# Allegro board RK_EVB1_RK3576_LP4XD200P132SD6_V12_20240530YWQ.brd (continued)
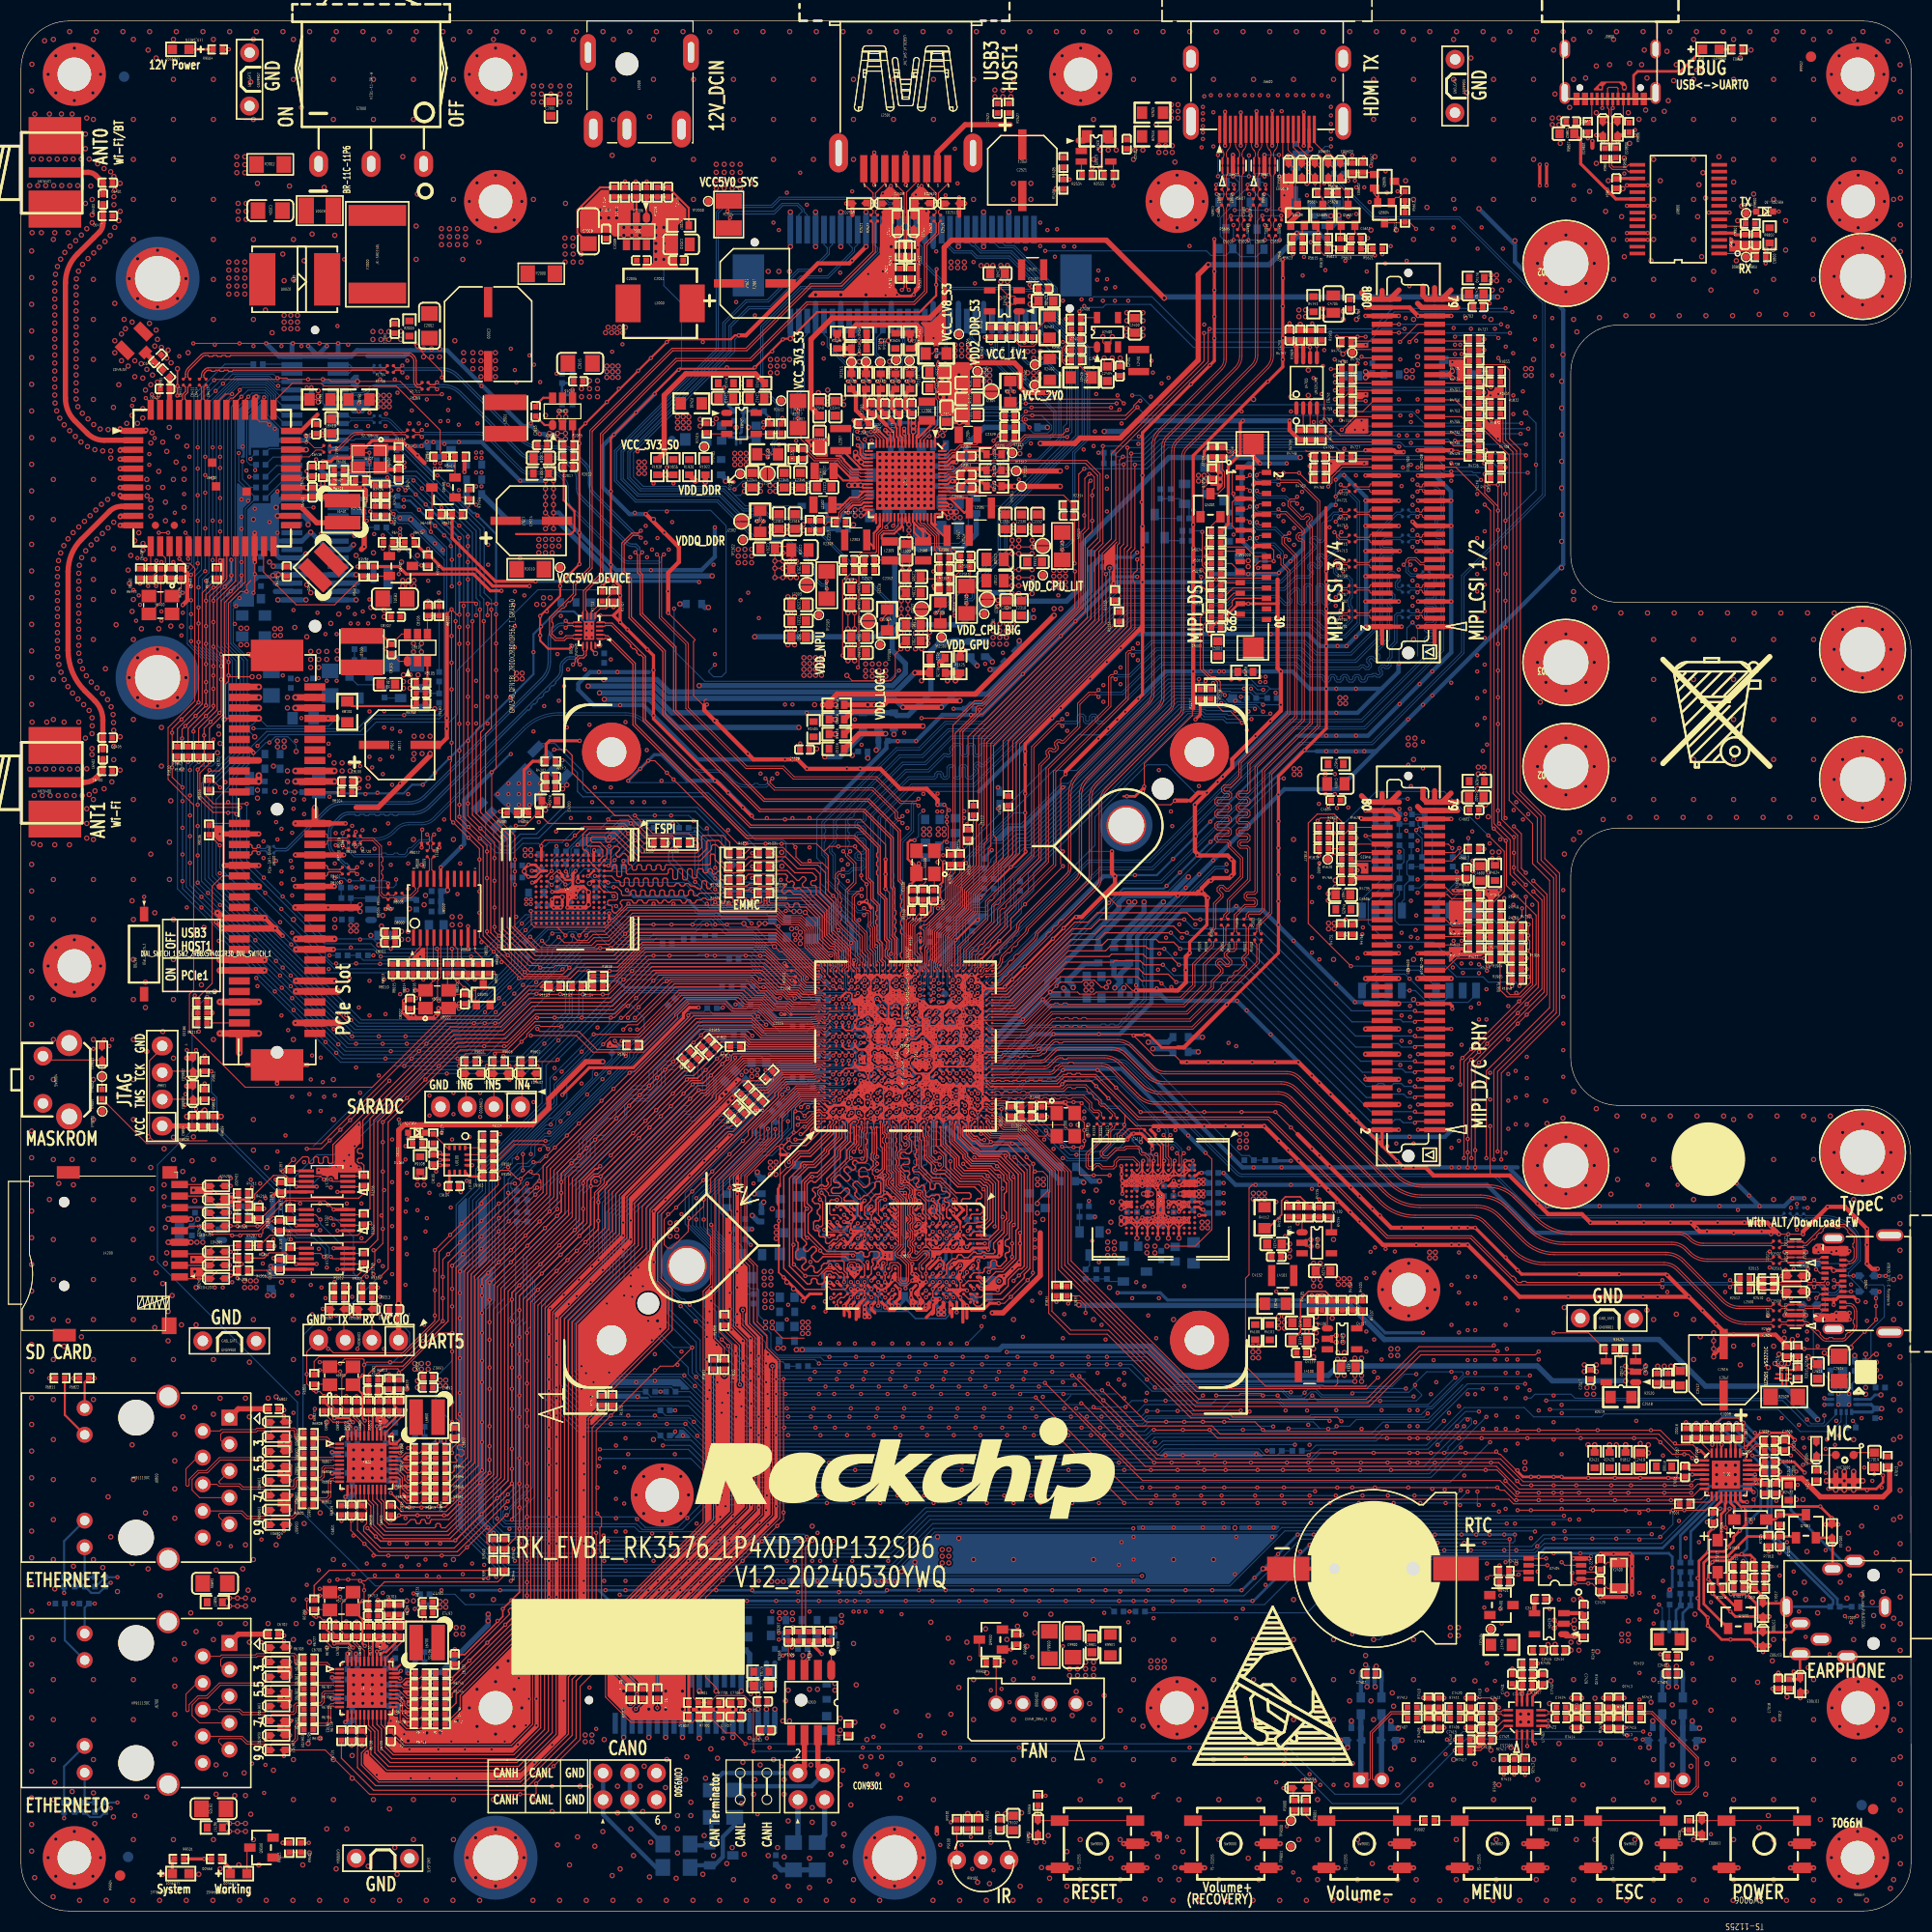
[diagram p0: board, top side]
## Copper pours and planes (outline as drawn; the poured copper is in the pictures) (continued)
VDD_LOGIC_S0 on TOP: 80.18,117.42 80.05,117.55 80.05,122.75 81.7,122.75 81.96,122.5 83.1,122.5 83.1,117.67 82.84,117.42
VDD_LOGIC_S0 on BOTTOM: 82.77,82.68 82.77,83.31 83.03,83.57 83.03,83.95 83.23,84.15 83.61,84.15 83.86,84.4 83.99,84.4 84.31,84.07 84.44,84.07 84.75,83.76 84.75,83.64 83.99,82.88 83.86,82.88 83.73,83 83.61,83 83.22,82.61 83.23,82.61 83.48,82.37 83.48,82.24 83.1,81.86 82.84,81.86 82.72,81.99 82.72,82.11 82.84,82.24 82.84,82.61
VDD_LOGIC_S0 on BOTTOM: 86.53,104.47 85.77,104.47 85.77,101.29 86.65,101.29 86.78,101.42 86.78,104.21
VDD_LOGIC_S0 on L3-POWER: 82.21,84.78 80.43,86.56 80.43,88.84 79.92,89.35 79.92,93.54 80.3,93.92 80.3,98.24 80.05,98.5 80.05,118.94 80.3,119.2 86.15,119.2 86.4,118.94 86.4,103.7 86.78,103.32 86.78,102.31 86.4,101.93 86.4,92.02 86.4,92.02 86.4,91.38 84.62,89.61 84.62,87.32 85,86.94 85,85.92 84.88,85.92 84.5,85.54 84.5,83.26 84.11,82.88 83.48,82.88 83.48,82.37 83.35,82.24 83.1,82.24 82.59,82.75 82.34,82.75 82.21,82.88
VDD_LOGIC_S0 on L4-SIG: 85.51,82.88 85,82.37 84.75,82.37 84.24,81.86 83.61,81.86 83.35,82.11 83.1,82.11 82.97,82.24 82.97,83.89 83.1,84.02 85.38,84.02 85.51,83.89
VDD_LOGIC_S0_P on TOP: 80.05,126.94 80.18,127.07 80.81,127.07 80.94,127.2 80.94,128.88 80.96,128.9 81.68,128.9 81.76,128.98 83.48,128.98 83.48,123.64 83.35,123.52 81.96,123.52 81.45,123.01 80.05,123.01
VDD_NPU_S0 on TOP: 74.34,117.42 74.21,117.55 74.21,126.18 75.61,126.18 76.11,125.67 77.76,125.67 77.89,125.55 77.89,117.67 77.64,117.42
VDD_NPU_S0 on BOTTOM: 72.43,92.4 72.94,91.89 75.86,91.89 76.11,92.15 76.11,93.04 75.86,93.29 74.72,93.29 74.08,93.92 74.08,94.18 73.32,94.94 72.56,94.94 72.43,94.81
VDD_NPU_S0 on BOTTOM: 81.12,82.95 81.12,82.93 81.25,82.8 81.38,82.8 81.5,82.93 82.01,82.93 82.08,83 82.08,84.78 81.83,85.03 81.57,85.03 81.57,84.15 81.45,84.02 80.81,84.02 80.69,83.89 80.69,83.38
VDD_NPU_S0 on L3-POWER: 73.45,94.94 73.83,95.32 73.83,101.16 74.02,101.35 73.7,101.67 73.7,103.45 73.32,103.83 73.32,118.5 74.46,119.64 77.7,119.64 78.53,118.82 78.91,118.82 79.92,117.8 79.92,97.86 79.67,97.61 79.67,96.21 79.8,96.08 79.8,89.23 80.18,88.84 80.18,86.56 81.96,84.78 81.96,83 82.08,82.87 82.08,82.62 82.09,82.62 81.83,82.37 81.07,82.37 80.82,82.11 79.93,82.11 79.92,82.11 76.75,82.11 72.94,85.92 72.94,89.86 73.07,89.99 73.07,93.54 73.45,93.92
VDD_NPU_S0_P on TOP: 78.78,131.52 78.78,129.1 78.65,128.98 78.65,127.58 78.02,126.94 76.11,126.94 75.61,126.44 74.27,126.44 74.27,130.31 74.97,131.01 76.37,131.01 76.88,131.52
VDDA0V75_HDMI_S0 on TOP: 82.34,147.29 82.31,147.26 82.31,146.12 82.18,145.99 81.32,145.99 81.19,146.12 81.19,149.3 81.83,149.93 82.59,149.93 82.84,149.68 82.84,149.3 82.34,148.79
VDDA0V75_HDMI_S0 on L4-SIG: 81.83,149.93 83.99,149.93 84.75,149.17 85.77,149.17 86.4,148.53 88.43,148.53 89.96,147.01 89.96,127.2 88.81,126.06 88.81,124.4 89.45,123.77 89.45,119.83 94.78,114.5 94.78,111.45 95.93,110.31 95.93,91.26 93,88.34 93,87.19 91.61,85.8 89.58,85.8 89.45,85.92 89.07,85.92 88.75,85.61 88.56,85.8 88.94,86.18 90.21,86.18 90.72,86.69 91.23,86.69 91.48,86.94 91.48,89.35 91.86,89.73 92.24,89.73 93.7,91.19 93.7,95.64 94.02,95.96 94.02,107.39 93.13,108.28 93.13,114.12 90.08,117.17 90.08,117.67 87.92,119.83 87.92,122.25 86.15,124.02 86.15,132.15 87.42,133.42 87.42,139.39 86.53,140.28 86.53,146.88 85.13,148.28 83.23,148.28 82.91,148.6 81.77,148.6 81.45,148.92 81.45,149.55
VDDA0V75_HDMI_S0_P on TOP: 81.49,143.81 81.47,143.89 81.42,143.96 81.42,144.22 81.19,144.45 81.19,145.23 81.32,145.36 82.18,145.36 82.31,145.23 82.31,144.6 82.21,144.5 82.2,144.5 81.97,144.35 81.88,144.1 81.88,143.96 81.82,143.89 81.8,143.81 81.8,143.26 81.83,143.16 81.9,143.09 81.9,142.96 82.17,142.96 82.18,142.95 82.44,142.95 83.08,142.3 83.09,142.29 83.13,142.22 83.21,142.17 83.22,142.16 83.3,142.09 83.3,141.55 83.32,141.42 83.39,141.3 83.4,141.28 83.4,141.16 83.37,141.12 83.31,141.13 83.02,141.42 83.02,141.55 82.04,142.54 81.97,142.54 81.72,142.79 81.62,142.86 81.5,142.9 81.49,142.91
VDDA_0V75_S0 on TOP: 75.22,113.86 74.97,113.61 74.97,112.85 75.1,112.72 76.37,112.72 76.49,112.59 76.49,110.31 76.62,110.18 77.64,110.18 77.76,110.31 77.76,113.61 77.51,113.86
VDDA_0V75_S0 on TOP: 84.09,146.09 84.09,148.63 84.11,148.66 84.11,149.04 84.24,149.17 85,149.17 85.13,149.04 85.13,148.69 85.12,148.68 85.12,146.11 85,145.99 84.19,145.99
VDDA_0V75_S0 on TOP: 79.54,149.93 79.42,149.8 78.78,149.8 78.78,150.95 79.16,151.33 79.42,151.33 79.54,151.2
VDDA_0V75_S0 on L4-SIG: 78.02,131.9 78.02,135.96 79.16,137.1 79.16,140.03 79.67,140.53 79.92,140.53 80.3,140.91 80.3,141.17 81.7,142.57 85.77,142.57 86.02,142.82 86.02,146.5 85.26,147.26 84.11,147.26 83.99,147.14 83.99,146.63 83.23,145.87 83.23,145.23 82.72,144.72 80.88,144.72 77.45,141.3 77.45,137.42 76.62,136.6 76.62,130.12 77.51,129.23 77.51,117.17 78.15,116.53 78.15,114.5 77.26,113.61 77.26,111.96 77.38,111.83 78.91,111.83 79.92,112.85 79.92,115.13 80.3,115.51 82.34,115.51 82.97,116.15 82.97,118.82 80.3,121.48 80.3,129.61
VDDA_0V75_S0_P on TOP: 84.03,143.81 84.01,143.89 83.96,143.96 83.96,144.98 84.22,145.23 84.98,145.23 85.11,145.11 85.11,144.6 84.98,144.47 84.95,144.48 84.89,144.5 84.82,144.5 84.74,144.5 84.66,144.47 84.6,144.47 84.47,144.34 84.47,144.3 84.46,144.29 84.43,144.2 84.42,144.1 84.42,143.96 84.36,143.89 84.34,143.81 84.34,143.26 84.37,143.16 84.44,143.09 84.44,142.96 84.71,142.96 84.75,142.92 84.98,142.92 85.09,142.81 85.09,142.58 84.95,142.43 84.93,142.43 84.65,142.28 84.53,141.98 84.53,141.6 84.47,141.51 84.36,141.53 84.22,141.68 84.22,142.69 84.03,142.88
VDDA_0V85_S0 on TOP: 77.64,114.37 75.35,114.37 75.22,114.5 75.22,115.39 76.37,116.53 80.18,116.53 80.43,116.78 90.72,116.78 93.39,119.45 93.64,119.45 94.53,120.34 94.53,121.23 94.91,121.61 95.54,121.61 97.2,123.26 97.2,124.02 97.7,124.53 99.1,124.53 99.35,124.28 99.35,123.13 98.97,122.75 98.97,122.63 91.86,115.51 78.15,115.51 77.89,115.26 77.89,114.63
VDDA_0V85_S0 on TOP: 83.55,146.09 82.62,146.09 82.46,146.25 82.46,148.79 82.84,149.17 83.61,149.17 83.73,149.04 83.73,146.28
VDDA_0V85_S0 on BOTTOM: 102.15,91.38 102.91,91.38 103.29,91.77 103.29,92.27 106.34,95.32 106.34,96.34 106.21,96.46 105.32,96.46 104.82,95.96 104.82,95.32 102.15,92.65
VDDA_0V85_S0 on L4-SIG: 77.76,114.5 77.89,114.63 77.89,116.53 77.38,117.04 77.38,129.23 76.49,130.12 76.49,136.85 77.26,137.61 77.26,141.42 80.81,144.98 82.46,144.98 82.84,145.36 82.84,145.87 83.73,146.76 83.73,147.39 83.23,147.9 81.07,147.9 80.18,147.01 77.38,147.01 72.81,142.44 72.81,134.82 73.45,134.18 73.45,129.74 74.21,128.98 74.21,120.72 73.95,120.47 73.95,116.02 75.48,114.5
VDDA_0V85_S0 on L4-SIG: 103.04,104.59 103.04,100.78 106.59,97.23 106.59,96.21 107.8,95 107.8,87.89 110.15,85.54 110.15,81.86 109.64,81.35 109.01,81.35 109.13,81.48 109.13,85.8 106.72,88.21 106.72,92.02 101.64,97.1 101.64,115.26 98.08,118.82 98.08,124.15 98.34,124.4 99.86,124.4 105.58,118.69 105.58,109.16 104.56,108.15 104.56,106.12
VDDA_0V85_S0_P on TOP: 82.82,142.85 82.82,144.98 83.07,145.23 83.45,145.23 83.58,145.11 83.58,144.72 83.07,144.22 83.07,143.33 83.07,143.26 83.1,143.16 83.17,143.09 83.17,142.96 83.44,142.96 83.45,142.95 83.68,142.95 83.96,142.66 83.96,141.53 83.91,141.5 83.81,141.5 83.76,141.59 83.76,141.92
VDDA_1V2_S0 on TOP: 93.13,135.2 98.97,135.2 99.23,135.45 99.23,135.96 99.1,136.09 93.13,136.09
VDDA_1V2_S0 on BOTTOM: 94.78,120.47 94.27,119.96 94.27,119.58 94.53,119.32 94.78,119.32 95.42,119.96 95.42,121.1 95.29,121.23 94.91,121.23 94.78,121.1
VDDA_1V2_S0_P on TOP: 89.19,135.07 89.7,135.07 89.83,135.2 89.83,135.33 90.34,135.83 91.23,135.83 91.61,135.45 91.61,135.2 92.24,135.2 92.24,136.22 91.99,136.47 89.83,136.47 89.19,135.83
VDDA_DDR_PLL_S0 on TOP: 80.81,145.99 80.05,145.99 79.54,146.5 79.54,147.77 79.67,147.9 80.69,147.9 80.81,147.77
VDDA_DDR_PLL_S0 on L4-SIG: 82.21,79.57 81.83,79.57 81.45,79.95 80.94,79.95 80.69,80.21 80.43,80.21 80.31,80.08 79.92,80.08 79.8,80.21 79.8,80.21 79.54,80.46 73.7,80.46 73.57,80.59 70.65,80.59 67.22,84.02 67.99,84.02 70.91,81.1 80.69,81.1 80.81,80.97 82.09,80.97 82.59,80.46 82.59,79.95
VDDA_DDR_PLL_S0_P on TOP: 79.9,144.65 79.9,144.85 79.91,144.86 79.91,145.09 80.05,145.23 80.94,145.23 81.07,145.11 81.07,144.85 80.53,144.32 80.53,143.07 80.63,142.98 80.63,142.96 80.65,142.96 80.79,142.82 81.3,142.82 81.81,142.3 81.82,142.29 81.89,142.19 82.01,142.16 82.13,142.16 82.82,141.47 82.82,141.32 83.11,141.03 83.11,140.92 83.08,140.87 83.02,140.88 82.59,141.32 82.46,141.4 82.31,141.43 82.23,141.43 82.16,141.41 82.13,141.39 81.19,142.33 80.89,142.33 79.92,143.3 79.92,144.51 79.92,144.58
VDDQ_DDR_CKE_S3 on L4-SIG: 79.67,78.68 79.8,78.56 80.94,78.56 81.45,79.07 81.45,79.7 81.32,79.83 80.81,79.83 80.69,79.95 80.56,79.95 79.92,79.32 74.46,79.32 74.18,79.03 74.53,78.68
VDDQ_DDR_S0 on TOP: 67.86,132.02 67.99,132.15 69.38,132.15 69.64,131.9 70.78,131.9 70.91,131.77 70.91,128.21 70.78,128.09 68.24,128.09 67.86,128.47
VDDQ_DDR_S0 on BOTTOM: 72.21,71.6 72.4,71.41 72.4,71.1 73.38,70.11 74.4,70.11 74.84,69.67 74.84,67.51 74.72,67.38 71.8,67.38 71.67,67.51 71.67,68.84 71.1,69.41 71.1,71.51 71.19,71.6
VDDQ_DDR_S0 on BOTTOM: 85.38,79.32 84.5,79.32 84.37,79.19 83.99,79.19 83.86,79.32 82.47,79.32 82.46,79.32 82.46,79.19 82.34,79.07 82.34,78.94 81.96,78.56 81.96,78.43 82.09,78.3 82.21,78.3 82.34,78.43 82.34,78.55 82.59,78.81 82.72,78.81 82.85,78.68 83.1,78.68 83.23,78.81 83.48,78.81 83.61,78.68 84.11,78.68 84.24,78.81 85.01,78.81 85.13,78.94 85.39,78.94 85.51,78.81 85.51,78.43 85.38,78.3 85.38,78.18 85.51,78.05 85.77,78.05 85.89,78.18 85.89,78.56 85.77,78.68 85.77,78.94
VDDQ_DDR_S0 on L3-POWER: 63.16,72.72 57.06,78.81 57.06,102.18 53.76,105.48 53.76,112.34 57.7,116.28 57.7,121.99 65.19,129.48 65.19,130.63 65.45,130.88 68.75,130.88 70.02,129.61 70.02,126.31 69.26,125.55 67.99,125.55 65.45,123.01 65.45,122.01 65.57,121.88 65.57,81.99 70.59,76.97 72.62,76.97 75.35,74.24 80.3,74.24 81.57,75.51 81.57,78.68 81.83,78.94 82.08,78.94 82.46,79.32 85,79.32 85.13,79.19 85.13,78.18 84.75,77.8 84.75,75.26 84.94,75.06 84.93,75.06 84.93,71.37 84.75,71.19 78.02,71.19 77,70.18 75.22,70.18 73.83,68.78 64.05,68.78 63.16,69.67
VDDQ_DDR_S0_P on TOP: 67.99,132.53 67.99,134.56 68.11,134.69 75.83,134.69 75.83,133.07 75.99,132.91 76.24,132.91 76.37,132.79 76.37,132.15 74.87,132.15 74.84,132.22 74.84,132.28 74.46,132.66 69.51,132.66 69.38,132.53
VDDQ_DRAM_S0 on BOTTOM: 73.07,60.4 73.07,63.7 73.32,63.95 73.32,66.49 73.45,66.62 75.61,66.62 77.26,68.27 78.4,68.27 79.29,67.38 79.29,67 79.16,66.87 79.03,66.87 78.91,67 78.53,67 78.02,66.49 78.02,65.98 78.02,65.98 78.02,65.48 77.93,65.39 77.93,64.62 78.06,64.49 79.32,64.49 79.54,64.71 80.43,64.71 80.81,65.1 81.07,65.1 81.26,64.9 80.56,64.21 80.56,63.57 80.43,63.44 79.55,63.44 78.91,62.8 78.91,61.92 79.16,61.67 79.16,61.29 78.91,61.03 79.29,60.65 79.49,60.65 79.58,60.56 80.73,60.56 80.85,60.43 80.85,59.92 81.49,59.29 81.49,58.28 81.19,57.98 80.56,57.98 80.18,57.6 80.18,57.48 79.92,57.22 79.92,56.46 80.18,56.21 88.18,56.21 88.81,56.84 88.81,57.6 88.56,57.86 87.67,57.86 87.67,58.36 87.42,58.62 87.04,58.62 87.04,60.4 87.16,60.52 87.93,60.52 88.33,60.92 88.33,63.29 88.18,63.44 87.92,63.44 87.54,63.83 87.54,64.97 87.71,65.14 87.71,65.26 87.92,65.48 87.92,65.6 88.05,65.73 88.05,66.75 88.57,67.27 89.82,67.27 90.34,66.75 90.34,65.48 90.97,64.84 90.97,59.89 91.1,59.76 91.1,55.44 89.96,54.3 75.61,54.3 75.35,54.55 75.35,56.21 74.84,56.71 74.84,58.62
(no net) on TOP: 4.57,0.51 1.7,1.7 0.51,4.57 0.51,175.43 1.7,178.3 4.57,179.49 175.43,179.49 178.3,178.3 179.49,175.43 179.49,155.62 178.3,152.75 175.43,151.56 152.16,151.56 148.57,150.07 147.08,146.48 147.08,129.21 148.57,125.61 152.16,124.13 173.9,124.13 173.9,124.13 175.43,124.13 178.3,122.94 179.49,120.06 179.49,107.71 178.3,104.84 175.43,103.65 152.16,103.65 148.57,102.16 147.08,98.57 147.08,81.3 148.57,77.7 152.16,76.22 175.39,76.22 178.27,75.02 179.46,72.15 179.45,68.49 179.46,60.07 179.47,44.67 179.48,23.82 179.48,23.7 179.49,4.57 178.3,1.7 175.43,0.51 ; 29 cut-outs
(no net) on BOTTOM: 4.57,0.51 1.7,1.7 0.51,4.57 0.51,175.43 1.7,178.3 4.57,179.49 175.43,179.49 178.3,178.3 179.49,175.43 179.49,155.62 178.3,152.75 175.43,151.56 152.16,151.56 148.57,150.07 147.08,146.48 147.08,129.21 148.57,125.61 152.16,124.13 173.9,124.13 173.9,124.13 175.43,124.13 178.3,122.94 179.49,120.06 179.49,107.71 178.3,104.84 175.43,103.65 152.16,103.65 148.57,102.16 147.08,98.57 147.08,81.3 148.57,77.7 152.16,76.22 175.39,76.22 178.27,75.02 179.46,72.15 179.45,68.49 179.49,4.57 178.3,1.7 175.43,0.51 ; 33 cut-outs
AUD_PVDD on BOTTOM: 72.05,23.4 70.67,23.4 70.67,28.03 70.91,28.27 71.67,28.27 71.8,28.14 71.8,26.74 72.05,26.49
AUD_VCC_3V3 on TOP: 70.91,18.99 72.05,18.99 72.18,19.12 72.18,23.31 72.05,23.44 70.91,23.44 70.78,23.31 70.78,19.12
AUD_VCCIO on BOTTOM: 69.67,23.79 69.53,23.65 68.77,23.65 68.71,23.72 68.71,27.84 68.87,28.01 69.64,28.01 69.67,27.98
CON0_VCC5V0_LCD on TOP: 119.04,124.28 118.28,124.28 117.9,123.9 115.74,123.9 115.23,123.39 115.23,122.88 114.85,122.5 114.09,122.5 113.96,122.37 113.96,121.86 113.45,121.36 113.45,120.47 113.58,120.34 114.59,120.34 114.72,120.21 114.72,118.44 115.61,117.55 116.12,117.55 116.25,117.67 116.25,118.56 115.86,118.94 115.86,121.36 116.63,122.12 118.91,122.12 119.17,122.37 119.17,124.15
DDR_PLL_AVDD1V8 on L4-SIG: 81.96,79.32 82.21,79.32 82.34,79.19 82.34,78.81 81.45,77.92 74.84,77.92 73.32,76.4 73.07,76.4 72.94,76.53 72.94,76.78 74.72,78.56 81.19,78.56
HDMI_TX/EDP_TX_AVDD1V8 on BOTTOM: 90.85,119.83 89.96,119.83 89.96,119.2 90.85,118.31 91.23,118.31 91.35,118.44 91.35,118.69 90.97,119.07 90.97,119.71
HDMI_TX/EDP_TX_AVDD1V8 on L4-SIG: 88.43,85.42 88.31,85.29 88.31,84.91 88.56,84.65 91.73,84.65 96.31,89.23 96.31,91.38 93.2,88.27 93.2,87.13 91.61,85.54 89.7,85.54 89.58,85.42
MIPI_CSI1/2_AVDD0V75 on L4-SIG: 88.18,86.81 86.97,85.61 87.42,85.61 88.94,87.13 88.94,88.72 89.96,89.73 89.96,90.62 92.18,92.84 92.18,93.86 88.69,90.37 88.69,89.23 88.18,88.72
MIPI_CSI1/2_AVDD1V8 on BOTTOM: 89.45,119.83 88.56,119.83 88.56,118.56 87.92,117.93 87.92,117.17 88.18,116.91 88.43,116.91 89.58,118.05 89.58,119.71
MIPI_CSI1/2_AVDD1V8 on L4-SIG: 87.92,89.48 87.92,91.26 88.69,92.02 88.69,92.53 88.43,92.78 87.42,91.77 87.42,89.1 87.29,88.97 87.29,86.43 87.8,86.94 87.8,89.35
MIPI_CSI3/4_AVDD0V75 on TOP: 75.99,112.21 74.97,112.21 74.84,112.09 74.84,110.18 75.22,109.8 75.86,109.8 75.99,109.93
MIPI_CSI3/4_AVDD0V75 on L4-SIG: 80.18,86.69 79.54,87.32 79.54,87.45 79.29,87.7 79.29,88.59 79.03,88.84 79.03,89.1 78.02,90.11 77.64,90.11 77.64,89.48 78.02,89.1 78.02,88.84 78.15,88.72 78.15,87.96 78.4,87.7 78.65,87.7 80.05,86.3 80.94,86.3 81.83,85.42 81.96,85.42 82.21,85.67 82.08,85.8 81.83,85.8 80.94,86.69
MIPI_CSI3/4_AVDD1V8 on L4-SIG: 82.34,86.43 82.34,86.05 82.21,85.92 81.83,85.92 80.69,87.07 80.18,87.07 79.8,87.45 79.8,88.72 78.27,90.24 78.27,92.02 78.53,92.02 80.81,89.73 80.81,87.45 81.7,86.56 82.21,86.56
MIPI_DCPHY_AVDD on TOP: 82.97,150.69 85,150.69 85.26,150.44 85.26,149.68 85,149.42 83.35,149.42 82.84,149.93 82.84,150.57
MIPI_DCPHY_AVDD on L4-SIG: 84.62,149.42 85.89,149.42 86.4,148.92 90.08,148.92 90.97,148.03 91.1,148.03 91.1,149.3 90.34,150.06 84.62,150.06 84.5,149.93 84.5,149.55
MIPI_DCPHY_AVDD on L4-SIG: 87.67,82.88 87.92,82.62 91.35,82.62 91.86,83.13 94.78,83.13 96.18,84.53 96.18,84.65 94.91,84.65 94.15,83.89 93.13,83.89 92.88,83.64 91.61,83.64 91.35,83.38 87.8,83.38 87.67,83.26
MIPI_DCPHY_AVDD1V2 on BOTTOM: 93.13,118.94 93.13,118.69 92.88,118.44 92.24,118.44 91.99,118.18 91.99,118.05 92.24,117.8 93.26,117.8 94.4,118.94 94.4,119.07 94.02,119.45 93.64,119.45
MIPI_DCPHY_AVDD1V2 on L4-SIG: 87.67,83.51 88.31,83.51 89.07,84.27 92.24,84.27 93.13,85.16 93.64,85.16 96.94,88.46 96.94,89.23 96.43,89.23 91.73,84.53 88.31,84.53 87.67,83.89
MIPI_DCPHY_AVDD1V8 on BOTTOM: 91.35,119.96 91.35,119.32 91.48,119.2 91.99,119.2 92.37,118.82 92.75,118.82 92.88,118.94 92.88,119.71 92.62,119.96
MIPI_DCPHY_AVDD1V8 on L4-SIG: 88.94,84.02 88.94,83.64 89.07,83.51 91.35,83.51 91.61,83.76 92.62,83.76 93,84.15 94.15,84.15 97.7,87.7 97.7,88.46 97.45,88.46 93.77,84.78 93,84.78 92.37,84.15 89.19,84.15 89.07,84.02
OSC_1V8 on TOP: 88.69,119.71 88.81,119.58 88.81,118.94 88.69,118.82 87.54,118.82 87.29,119.07 87.29,119.58 87.42,119.71
OSC_1V8 on BOTTOM: 88.05,119.83 87.29,119.83 87.16,119.71 87.16,118.56 87.42,118.31 87.92,118.31 88.18,118.56 88.18,119.71
OSC_1V8 on L4-SIG: 85,84.91 85,84.78 85.13,84.65 85.77,84.65 86.4,85.29 86.4,85.92 86.53,86.05 86.53,87.07 86.4,87.19 86.4,89.23 86.65,89.48 86.65,91.89 86.02,91.89 86.02,89.48 86.27,89.23 86.27,86.18 86.02,85.92 86.02,85.8 85.38,85.16 85.26,85.16
OSC_UFS_AVDD on L4-SIG: 87.54,79.19 87.54,78.81 88.05,78.3 91.61,78.3 92.24,77.67 92.24,77.03 92.5,76.78 93.51,76.78 94.02,76.27 98.21,76.27 103.8,81.86 107.48,81.86 107.61,81.99 107.61,82.11 107.48,82.24 102.66,82.24 99.35,78.94 91.73,78.94 91.48,78.68 88.18,78.68 88.05,78.81 88.05,79.07 87.8,79.32 87.67,79.32
OTP_VDD0V75 on L4-SIG: 85.13,85.42 85,85.54 85,85.8 85.38,86.18 85.38,91.51 85.13,91.77 85.13,93.04 86.15,94.05 87.16,94.05 87.16,93.54 85.89,92.27 85.89,89.1 86.15,88.84 86.15,86.3 85.89,86.05 85.89,85.92 85.38,85.42
PCIE_COMBOPHY_AVDD0V85 on TOP: 78.15,114.37 81.32,114.37 81.57,114.63 81.57,115.13 81.32,115.39 78.15,115.39 78.02,115.26 78.02,114.5
PCIE_COMBOPHY_AVDD0V85 on L4-SIG: 83.48,85.67 82.84,86.3 82.84,89.73 82.46,90.11 82.46,90.62 82.08,91 82.08,92.02 81.57,92.53 81.57,100.78 80.94,101.42 80.94,111.2 81.7,111.96 81.7,115.01 81.45,115.26 80.43,115.26 80.18,115.01 80.18,112.72 79.42,111.96 79.42,102.31 79.8,101.93 79.8,99.89 79.16,99.26 79.16,94.31 80.43,93.04 80.43,91.64 81.45,90.62 81.45,86.94 82.97,85.42 83.48,85.42
PCIE_COMBOPHY_AVDD1V8 on L4-SIG: 83.61,91.64 83.1,92.15 83.1,101.29 81.96,102.43 81.96,110.69 81.7,110.94 81.32,110.94 81.19,110.82 81.19,101.67 81.7,101.16 81.7,92.78 82.21,92.27 82.21,91.13 82.84,90.5 82.84,86.43 83.35,85.92 83.48,85.92 83.61,86.05
PHY0_CHASSIS_GND on TOP: 18.07,7.56 17.95,7.44 15.66,7.44 12.93,10.17 12.93,12.64 13.47,13.18 15.19,13.18 16.8,14.8 17.69,14.8 18.07,14.42
PHY0_CHASSIS_GND on L3-POWER: 16.17,27.5 16.17,16.33 18.07,14.42 18.07,13.53 15.53,10.99 13.38,10.99 13.12,11.25 13.12,28.52 13.38,28.77 14.9,28.77
PHY0_REG_OUT on TOP: 37,27.38 38.27,27.38 38.36,27.28 38.36,23.79 37.89,23.31 35.22,23.31 35.09,23.44 35.09,23.95 36.87,25.73 36.88,25.81 36.88,25.85 36.88,27.26
PHY1_CHASSIS_GND on TOP: 18.07,29.03 17.95,28.9 15.66,28.9 12.93,31.63 12.93,34.11 13.47,34.65 15.19,34.65 16.8,36.27 17.69,36.27 18.07,35.89
PHY1_CHASSIS_GND on L3-POWER: 16.17,48.97 16.17,37.92 18.2,35.89 18.2,35.12 15.53,32.46 13.38,32.46 13.12,32.71 13.12,49.98 13.38,50.24 14.9,50.24
PHY1_REG_OUT on TOP: 37,48.84 38.27,48.84 38.36,48.74 38.36,45.25 37.89,44.78 35.22,44.78 35.09,44.9 35.09,45.41 36.87,47.19 36.88,47.28 36.88,47.32 36.88,48.73
PLL_AVDD1V8 on L4-SIG: 85.38,86.18 85.38,86.56 85.13,86.81 85.13,89.35 85,89.48 85,92.27 83.99,93.29 83.99,92.4 84.5,91.89 84.5,89.61 84.62,89.48 84.62,86.3 85,85.92 85.13,85.92
PLL_DVDD0V75 on L4-SIG: 84.88,85.54 84.88,85.8 84.5,86.18 84.5,89.35 84.24,89.61 84.24,91.89 83.73,92.4 83.73,100.91 83.48,101.16 83.1,100.78 83.1,92.15 83.86,91.38 83.86,85.8 84.24,85.42 84.75,85.42
PMIC_SW1 on TOP: 86.69,132.14 86.78,132.23 87.26,132.23 87.26,132.91 87.64,132.91 87.65,132.91 87.93,132.63 87.94,132.61 88.04,132.42 88.23,132.32 88.24,132.31 88.28,132.28 88.43,132.28 88.56,132.15 88.56,129.99 87.8,129.99 87.67,130.12 87.67,131.16
PMIC_SW2 on TOP: 80.18,129.61 80.18,132.3 80.89,133.01 81.27,133.01 81.27,132.23 81.8,132.23 81.8,131.81 81.22,131.23 81.22,129.64 81.19,129.61
PMIC_SW3 on TOP: 88.34,134.39 88.34,134.59 88.69,134.59 88.78,134.61 88.87,134.66 88.9,134.69 90.59,134.69 90.72,134.56 90.72,132.79 90.59,132.66 89.96,132.66 89.96,133.02 88.88,134.09 88.78,134.09 88.77,134.11 88.67,134.17 88.55,134.2 88.53,134.2
PMIC_SW4 on TOP: 77.13,139.39 78.91,139.39 79.02,139.28 79.02,138.33 79.82,137.53 79.93,137.53 80.14,137.32 80.14,137.2 80.03,137.2 79.97,137.26 79.25,137.26 78.41,138.1 78.41,138.23 78.14,138.5 77.38,138.5 77.13,138.75
PMIC_SW5 on TOP: 84.95,131.62 84.95,131.82 85.05,131.92 85.33,131.92 85.48,131.77 85.56,131.71 85.66,131.69 85.85,131.69 86.76,130.78 86.76,130.25 86.63,130.12 84.98,130.12 84.95,130.15 84.95,130.59 84.95,130.8 84.97,130.87 84.97,130.93 84.97,130.99 84.95,131.06 84.95,131.36 84.97,131.43 84.97,131.49 84.97,131.55
PMIC_SW6 on TOP: 76.85,133.04 76.85,134.82 77.87,134.82 78.37,135.32 80,135.32 80.03,135.29 80.07,135.27 80.07,135.22 80.12,135.17 80.12,134.95 80.03,134.85 80.01,134.85 79.93,134.83 79.87,134.78 79.7,134.61 79.06,134.61 78.96,134.59 78.88,134.53 78.15,133.8 78.15,133.8 77.77,133.42 77.64,133.29 77.64,133.07 77.61,133.04
PMIC_SW7 on TOP: 81.93,130.91 81.96,130.91 81.96,131.14 82.08,131.26 83.1,131.26 83.8,131.96 83.8,132.11 83.81,132.12 84.03,132.12 84.14,132.02 84.14,131.44 83.58,130.88 83.58,129.99
PMIC_SW8 on TOP: 85.36,140.46 85.29,140.53 85.32,140.56 85.42,140.71 85.45,140.88 85.45,141.13 85.49,141.17 85.49,142.31 86.88,142.31 87.01,142.19 87.01,141.61 86.82,141.42 86.53,141.42 85.57,140.47 85.47,140.47 85.46,140.46
PMIC_SW9 on TOP: 87.69,139.26 87.69,139.54 87.79,139.64 87.79,139.92 89.04,141.17 89.68,141.17 89.68,139.89 89.34,139.89 88.84,139.39 88.45,139.39 88.35,139.29 88.33,139.29 88.31,139.26
PMIC_SW10 on TOP: 76.98,136.34 76.98,136.7 76.99,136.71 76.99,137.73 77,137.73 77,137.87 77.76,137.87 79.09,136.54 79.63,136.54 79.77,136.41 79.77,136.29 79.72,136.24 78.85,136.24 78.75,136.23 78.65,136.19 78.64,136.19 78.45,136.19 78.4,136.24 78.23,136.24 78.12,136.34
PMU_DVDD0V75 on TOP: 78.15,150.57 78.15,149.55 78.02,149.42 77.38,149.42 77.26,149.55 77.26,150.57 77.38,150.69 78.02,150.69
PMU_DVDD0V75 on L4-SIG: 87.29,79.57 87.55,79.83 87.55,84.02 88.05,84.52 88.05,85.54 88.81,86.3 90.08,86.3 90.59,86.81 90.59,88.84 90.72,88.84 91.86,89.99 92.24,89.99 93.58,91.32 93.58,93.8 93.64,93.86 93.64,95.96 93.13,95.96 92.62,95.45 92.62,93.04 90.02,90.43 90.02,89.67 89.58,89.23 89.58,86.81 89.45,86.69 88.81,86.69 88.69,86.56 88.56,86.56 87.29,85.29 87.17,85.29 86.66,84.78 86.27,84.78 85.83,84.34 85.83,82.88 85.19,82.24 85.13,82.24 84.75,81.86 84.75,81.35 84.88,81.22 85.26,81.22 85.38,81.1 85.38,79.95 85.77,79.57
PMUIO0_VCC1V8 on TOP: 89.83,118.31 89.83,117.55 89.32,117.04 87.8,117.04 87.54,117.29 87.54,118.18 87.67,118.31
PMUIO0_VCC1V8 on L4-SIG: 88.56,89.35 88.56,90.75 89.7,91.89 89.7,92.02 88.81,92.02 87.92,91.13 87.92,86.81 87.54,86.43 87.04,86.43 86.27,85.67 86.27,85.16 86.4,85.03 86.53,85.03 88.05,86.56 88.05,88.84
PMUIO1_VCC on L4-SIG: 87.16,91.77 86.53,91.77 86.53,89.48 86.65,89.35 86.65,86.69 86.78,86.56 87.04,86.56 87.16,86.69
SARADC_AVDD1V8 on L4-SIG: 77.13,84.91 74.08,87.96 72.43,87.96 72.37,87.89 73.07,87.19 73.83,87.19 77,84.02 79.92,84.02 80.3,84.4 80.3,84.65 80.05,84.91
USB2_OTG_AVDD1V8 on BOTTOM: 103.67,90.75 105.83,90.75 106.09,90.5 106.09,89.61 104.43,87.96 104.43,87.7 104.05,87.7 103.93,87.83 103.93,88.21 104.18,88.46 104.18,88.72 103.93,88.97 103.93,89.61 103.55,89.99 103.55,90.62
USB2_OTG_AVDD1V8 on L4-SIG: 89.07,81.61 88.81,81.35 88.81,81.1 88.94,80.97 88.94,80.84 89.19,80.59 90.59,80.59 90.85,80.84 94.02,80.84 94.02,80.97 97.58,80.97 98.08,81.48 98.08,81.61
USB2_OTG_AVDD3V3 on TOP: 69.76,145.99 67.6,145.99 67.48,145.87 67.48,145.11 67.6,144.98 69.64,144.98 69.89,145.23 69.89,145.87
USB2_OTG_DVDD0V75 on TOP: 80.94,150.69 80.94,148.41 80.81,148.28 80.3,148.28 80.05,148.53 80.05,150.69
USB2_OTG_DVDD0V75 on L4-SIG: 88.81,81.73 89.07,81.99 89.19,81.99 89.32,82.11 91.61,82.11 91.86,82.37 95.16,82.37 95.93,83.13 96.43,83.13 96.43,82.75 95.16,81.48 91.99,81.48 91.73,81.73 89.45,81.73 89.19,81.48 88.94,81.48 88.81,81.61
USB3_OTG0/DP_TX_AVDD0V85 on BOTTOM: 101.01,90.62 99.35,88.97 99.35,88.46 100.24,87.57 100.5,87.83 100.5,88.21 100.37,88.34 100.37,88.97 101.26,89.86 103.04,89.86 103.16,89.99 103.16,90.5 103.04,90.62
USB3_OTG0/DP_TX_AVDD0V85 on L4-SIG: 87.92,81.48 88.43,81.48 89.32,82.37 91.86,82.37 91.99,82.49 94.15,82.49 94.4,82.75 94.4,82.88 94.27,83 91.73,83 91.23,82.49 88.18,82.49 87.8,82.11 87.8,81.61
USB3_OTG0/DP_TX_AVDD1V8 on L4-SIG: 88.18,80.72 88.56,80.34 90.97,80.34 91.1,80.46 94.15,80.46 94.15,80.84 91.23,80.84 90.85,80.46 89.19,80.46 88.81,80.84 88.81,80.97 88.56,81.22 88.31,81.22 88.18,81.1
N16706184 on BOTTOM: 114.98,134.69 114.34,135.33 112.44,135.33 112.31,135.2 112.31,133.8 114.59,131.52 115.48,131.52 115.61,131.64 115.61,132.53 115.36,132.79 115.36,133.42 114.98,133.8
N18483700 on TOP: 26.33,133.68 25.31,133.68 25.19,133.8 25.31,133.93 26.96,133.93 27.98,132.91 32.3,132.91 32.43,132.79 32.43,131.64 32.3,131.52 28.49,131.52
N18483702 on TOP: 27.85,134.95 27.73,134.82 24.81,134.82 24.81,134.56 26.71,134.56 27.09,134.18 28.36,134.18 28.87,133.68 32.3,133.68 32.3,134.95
N18483810 on TOP: 26.58,132.15 24.93,132.15 24.93,131.64 26.84,129.74 27.47,129.74 30.14,127.07 30.39,127.07 31.28,127.96 31.28,128.21 28.74,130.75 27.47,130.75 26.71,131.52 26.71,132.02
N18483812 on TOP: 23.92,130.88 23.79,130.75 23.79,129.1 24.93,127.96 24.93,127.83 25.06,127.71 26.46,127.71 28.62,125.55 29.12,125.55 29.76,126.18 29.76,126.44 27.22,128.98 26.33,128.98 24.42,130.88
N21735609 on TOP: 103.04,168.35 107.23,168.35 107.23,172.03 104.82,172.03 102.91,170.12 102.91,168.47
N21756849 on TOP: 27.98,160.73 27.98,163.14 27.85,163.27 24.42,163.27 24.17,163.01 24.17,160.85 24.42,160.6 27.85,160.6
N22363373 on TOP: 135.17,29.66 140.5,29.66 140.5,30.55 140.25,30.81 139.99,30.81 139.23,31.57 139.23,33.47 138.85,33.85 134.53,33.85 134.41,33.73 134.41,30.42
N22367651 on BOTTOM: 172,51.76 172,51.13 172.76,50.36 174.28,50.36 175.05,51.13 175.05,51.63 174.92,51.76
N24505996 on TOP: 29.38,165.43 29.38,167.33 29,167.71 24.42,167.71 24.3,167.58 24.3,165.43 24.55,165.17 29.12,165.17
N25926738 on TOP: 95.6,154.05 94.46,154.05 94.39,154.11 94.39,156.91 94.78,157.3 95.6,157.3 95.73,157.17 95.73,154.68 95.71,154.62 95.71,154.55 95.71,154.49 95.73,154.42 95.73,154.17
N26170688 on TOP: 133.01,152.34 138.6,152.34 138.6,156.03 133.52,156.03 132.63,155.14 132.63,152.73
